# Altium PCB Bran_Main_Assay_PCB_v2.PcbDoc (part 14 of 15) (continued)
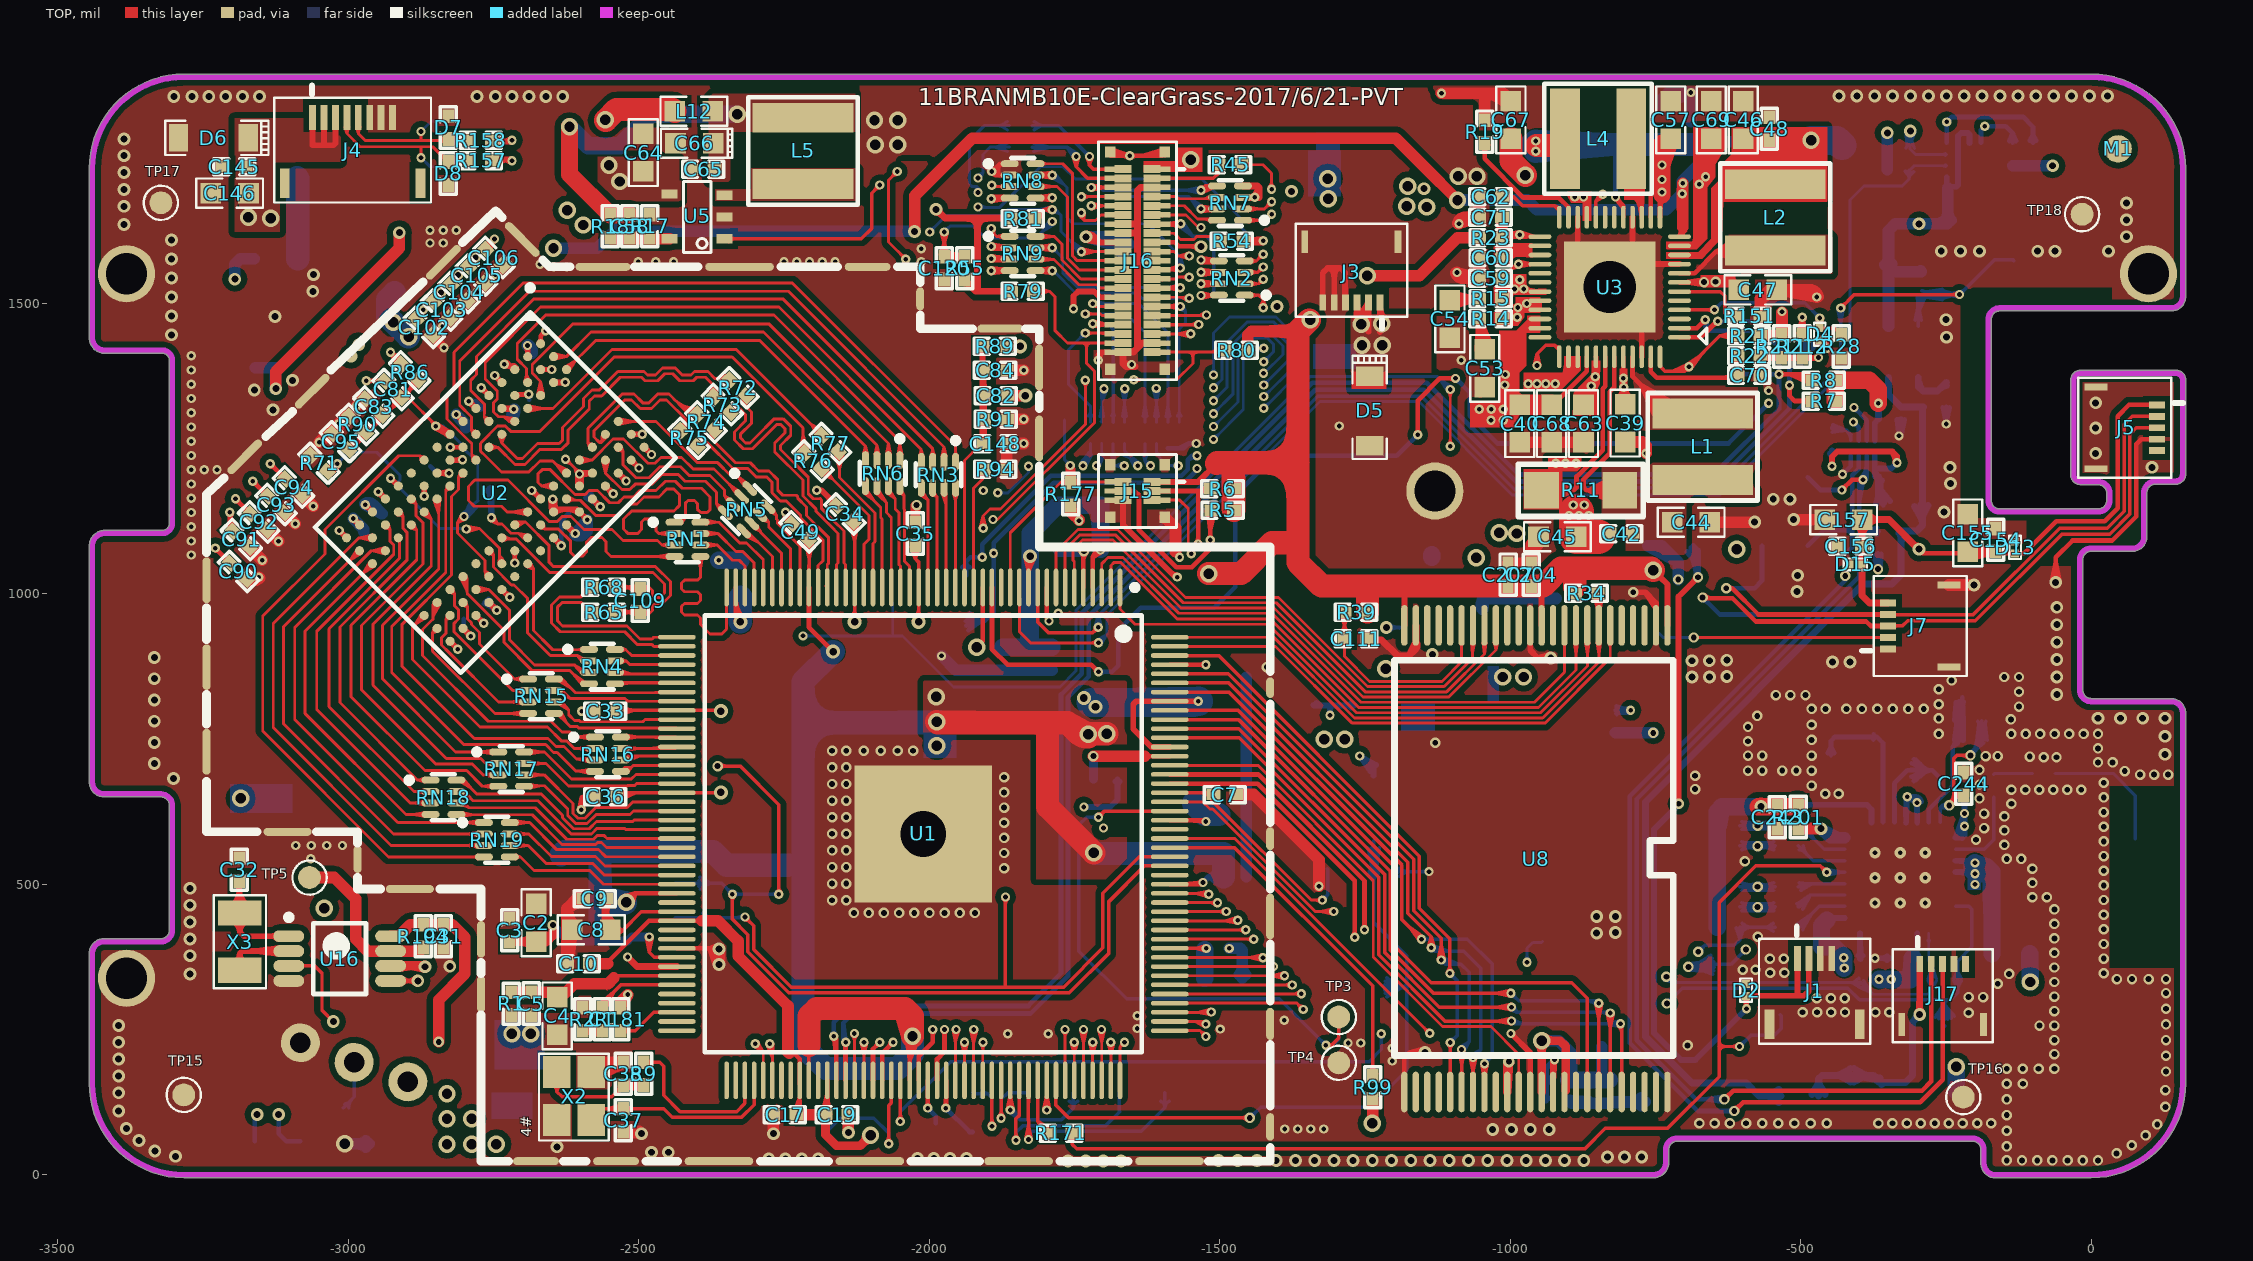
[diagram p0: TOP view]
## Nets (pads, with @x,y where several pads share a name; then routed paths per layer and width w, separated by ;. In a path a pad name is that pad's centre, name@x,y a point inside that pad or via, vN(x,y) a via of type N, cw(c..) or ccw(c..) an arc to the next point about the centre after c; other vN are vias at no path point) (continued)
WL-SDIO-D0: R172.1 R206.1 TP41.1 U1.118 | length 3199.8
  TOP w6: v1@-1897.05,85.35 -1891.91,92.68 ; v1@-1895.85,87.27 ccw(c-1904.39,95.8) -1892.32,95.8 ccw(c-1880.25,95.8) v1@-1888.78,87.27 ; -1892.32,112.23 U1.118@-1892.32,134.17 ; U1.118@-1892.32,162.71 v1(-1892.32,83.73) -1891.91,92.68 ; v1@-1887.46,84.91 -1891.91,92.68
  Singal w6: v1(-1892.32,83.73) -1885.32,76.73 -1655.65,76.73 -1597.05,135.33 -714.42,135.33 -641.46,208.28 -641.46,544 -619.46,566 v2(-574.46,566) -585.2,566.49 ; v2@-578.71,561.76 ccw(c-588.95,551.51) -588.95,566 ccw(c-588.95,580.49) v2@-578.71,570.24 ; v2@-576.4,560.32 -585.2,566.49 ; v2@-575.87,571.83 -585.2,566.49
  BOTTOM w6: TP41.1@-1925.2,141.73 -1923.46,140 -1899.46,140 ; TP41.1@-1910.7,133.47 cw(c-1899.47,127.07) -1899.47,140 ; TP41.1@-1909.4,147.11 ccw(c-1899.47,150.5) -1899.47,140 ; v1@-1897.18,84.91 -1892.73,92.68 ; v1@-1897.05,85.35 -1891.91,92.68 ; v1@-1895.85,87.27 ccw(c-1904.39,95.8) -1892.32,95.8 ccw(c-1880.25,95.8) v1@-1888.78,87.27 ; v1@-1887.59,85.35 -1892.73,92.68 ; v1@-1887.46,84.91 -1891.91,92.68 ; R206.1@-604.79,566.31 -574.46,566.31 R172.1@-543.7,566.31 R172.1@-546.18,563.83 ; R206.1@-601.98,559.52 v2@-574.98,566.31 ; R206.1@-601.98,573.1 v2@-574.98,566.31 ; R206.1@-601.21,559.66 -590.57,565.75 ; R206.1@-601.21,572.96 -590.57,566.88 ; R206.1@-600.61,559.84 -590.57,566.88 ; R206.1@-600.61,572.79 -590.57,565.75 ; R206.1@-597.98,561.48 cw(c-586.3,549.79) -586.3,566.31 cw(c-586.3,582.83) R206.1@-597.98,571.15 ; -589.71,566.31 cw(c-589.71,550.76) v2@-578.71,561.76 ; -588.19,566.31 ccw(c-588.19,579.73) v2@-578.71,570.24 ; v2@-576.64,560.41 -584.72,566.77 ; v2@-576.6,560.39 R206.1@-600.89,572.83 ; v2@-576.18,571.75 -585.68,565.78 ; v2@-575.96,560.19 -585.68,565.78 ; v2@-575.78,571.85 -584.72,566.77 ; v2@-575.29,571.94 R172.1@-548.02,572.72 ; v2@-573.61,571.94 R206.1@-600.89,572.83 ; v2@-573.15,571.85 -564.21,566.77 ; v2@-572.97,560.19 -563.25,565.78 ; v2@-572.75,571.75 -563.25,565.78 ; v2@-572.36,560.38 R172.1@-548.02,572.72 ; v2@-572.29,560.41 -564.21,566.77 ; v2@-570.22,561.76 cw(c-559.22,550.76) -559.22,566.31 ; v2@-570.22,570.24 ccw(c-560.74,579.73) -560.74,566.31 ; -562.2,566.31 cw(c-562.2,549.77) R172.1@-550.51,561.47 ; -562.17,566.31 ccw(c-562.17,582.81) R172.1@-550.51,571.15 ; R172.1@-547.88,559.83 -557.9,566.88 ; R172.1@-547.87,572.78 -557.92,565.75 ; R172.1@-547.28,559.66 -557.92,565.75 ; R172.1@-547.27,572.96 -557.9,566.88 ; R172.1@-546.51,559.52 v2@-573.51,566.31 ; R172.1@-546.51,573.1 v2@-573.51,566.31 ; -1899.46,140 -1892.32,132.85 v1(-1892.32,83.73) ; -1892.73,92.68 v1(-1892.32,83.73) ; v1(-1892.32,83.73) -1891.91,92.68 ; R206.1@-602.82,566.31 v2@-574.98,566.31 ; R206.1@-602.82,566.31 -590.57,566.88 ; R206.1@-602.82,566.31 -590.57,565.75 ; R206.1@-601.47,566.31 v2(-574.46,566) ; R206.1@-601.47,566.31 -575.06,571.97 R206.1@-601.47,566.31 ; R206.1@-601.47,566.31 -575.2,560.05 R206.1@-601.47,566.31 ; R206.1@-601.47,566.31 v2(-574.46,566) ; R206.1@-600.89,572.83 v2(-574.46,566) ; -585.68,565.78 v2(-574.46,566) ; -584.72,566.77 v2(-574.46,566) ; v2(-574.46,566) R172.1@-547.46,566.31 ; v2(-574.46,566) R172.1@-547.46,566.31 ; v2(-574.46,566) R172.1@-548.02,572.72 ; v2(-574.46,566) -564.21,566.77 ; v2(-574.46,566) -563.25,565.78 ; v2@-573.51,566.31 R172.1@-545.67,566.31 ; -557.92,565.75 R172.1@-545.67,566.31 ; -557.9,566.88 R172.1@-545.67,566.31 ; R172.1@-547.46,566.31 -573.73,560.05 R172.1@-547.46,566.31 ; R172.1@-547.46,566.31 -573.87,571.97 R172.1@-547.46,566.31
WL-SDIO-D1: R173.1 R205.1 TP40.1 U1.119 | length 3417.6
  TOP w6: v1@-1881.43,98.91 -1876.98,106.68 ; v1@-1881.3,99.35 -1876.16,106.68 ; v1@-1880.1,101.27 ccw(c-1888.64,109.8) -1876.57,109.8 ccw(c-1864.5,109.8) v1@-1873.03,101.27 ; v1@-1876.57,93.85 v1(-1876.57,97.73) ; -1876.57,112.23 U1.119@-1876.57,134.17 ; U1.119@-1876.57,162.71 v1(-1876.57,97.73) ; v1@-1871.84,99.35 -1876.98,106.68 ; v1@-1871.71,98.91 -1876.16,106.68 ; -1876.98,106.68 v1(-1876.57,97.73) ; v1(-1876.57,97.73) -1876.16,106.68
  Singal w6: v1@-1879.49,93.67 -1865.57,86.73 ; v1@-1876.57,92.73 cw(c-1876.57,80.66) -1868.03,89.2 cw(c-1859.5,97.73) v1@-1871.57,97.73 ; v1(-1876.57,97.73) -1865.57,86.73 ; v1@-1872.51,100.65 -1865.57,86.73 ; v2@-578.71,596.76 ccw(c-588.95,586.51) -588.95,601 ccw(c-588.95,615.49) v2@-578.71,605.24 ; v2@-576.4,606.68 -585.2,600.51 ; v2@-575.87,595.17 -585.2,600.51 ; v2@-573.46,601 v2(-574.46,601) ; -1865.57,86.73 -1659.79,86.73 -1601.2,145.33 -718.56,145.33 -651.46,212.43 -651.46,572 -622.46,601 v2(-574.46,601) ; -585.2,600.51 v2(-574.46,601)
  BOTTOM w6: v1@-1881.43,98.91 -1876.98,106.68 ; v1@-1881.3,99.35 -1876.16,106.68 ; v1@-1880.1,101.27 ccw(c-1888.64,109.8) -1876.57,109.8 ccw(c-1864.5,109.8) v1@-1873.03,101.27 ; v1@-1879.02,100.18 v1(-1876.57,97.73) ; v1@-1871.84,99.35 -1876.98,106.68 ; v1@-1871.71,98.91 -1876.16,106.68 ; TP40.1@-1830.71,141.73 -1864.73,141.73 -1876.57,129.9 v1(-1876.57,97.73) ; R205.1@-604.79,601.31 -574.46,601.31 -539,601.31 R173.1@-538.77,601.54 ; R205.1@-601.98,594.52 v2@-574.98,601.31 ; R205.1@-601.98,608.1 v2@-574.98,601.31 ; R205.1@-601.21,594.66 -590.57,600.75 ; R205.1@-601.21,607.96 -590.57,601.88 ; R205.1@-600.61,594.84 -590.57,601.88 ; R205.1@-600.61,607.79 -590.57,600.75 ; R205.1@-597.98,596.48 cw(c-586.3,584.79) -586.3,601.31 cw(c-586.3,617.83) R205.1@-597.98,606.15 ; -589.71,601.31 cw(c-589.71,585.76) v2@-578.71,596.76 ; -588.19,601.31 ccw(c-588.19,614.73) v2@-578.71,605.24 ; v2@-576.64,595.41 -584.72,601.77 ; v2@-576.6,595.39 R205.1@-600.89,607.83 ; v2@-576.47,606.65 R205.1@-601,594.77 ; v2@-576.18,606.75 -585.68,600.78 ; v2@-575.96,595.19 -585.68,600.78 ; v2@-575.78,606.85 -584.72,601.77 ; v2@-574.86,595.01 R173.1@-547.48,596.19 ; v2@-573.91,606.97 R173.1@-547.46,601.49 ; v2@-573.87,606.97 R173.1@-547.46,601.31 ; v2@-573.69,595.05 R173.1@-547.46,601.49 ; v2@-573.61,606.94 R205.1@-600.89,607.83 ; v2@-573.15,606.85 -564.21,601.77 ; v2@-572.97,595.19 -563.25,600.78 ; v2@-572.57,595.31 R173.1@-547.73,606.74 ; v2@-572.29,595.41 -564.21,601.77 ; v2@-570.22,596.76 cw(c-559.22,585.76) -559.22,601.31 ; v2@-570.22,605.24 ccw(c-560.74,614.73) -560.74,601.31 ; -557.81,601.31 ccw(c-557.81,618.61) R173.1@-545.58,606.38 ; -556.71,601.31 cw(c-556.71,585.57) R173.1@-545.58,596.7 ; R173.1@-543.12,607.96 -552.63,600.78 ; R173.1@-542.78,595.01 -553.33,601.9 ; R173.1@-542.41,608.18 -553.33,601.9 ; R173.1@-542.28,594.87 -552.63,600.78 ; R173.1@-541.63,608.33 v2@-568.58,601.31 ; R173.1@-541.52,594.74 v2@-568.58,601.31 ; -1876.98,106.68 v1(-1876.57,97.73) ; v1(-1876.57,97.73) -1876.16,106.68 ; R205.1@-602.82,601.31 v2@-574.98,601.31 ; R205.1@-602.82,601.31 -590.57,601.88 ; R205.1@-602.82,601.31 -590.57,600.75 ; R205.1@-601.47,601.31 v2(-574.46,601) ; R205.1@-601.47,601.31 v2@-575.06,606.97 ; R205.1@-601.47,601.31 -575.2,595.05 R205.1@-601.47,601.31 ; R205.1@-601.47,601.31 v2(-574.46,601) ; R205.1@-601.47,601.31 v2@-575.06,606.97 ; R205.1@-601,594.77 v2(-574.46,601) ; R205.1@-601,594.77 -573.74,595.04 R173.1@-547.46,601.31 ; R205.1@-600.89,607.83 v2(-574.46,601) ; -585.68,600.78 v2(-574.46,601) ; -584.72,601.77 v2(-574.46,601) ; v2@-575.07,606.97 R173.1@-547.73,606.74 ; v2(-574.46,601) R173.1@-547.46,601.31 ; v2(-574.46,601) R173.1@-547.46,601.49 ; v2(-574.46,601) R173.1@-547.73,606.74 ; v2(-574.46,601) R173.1@-547.48,596.19 ; v2(-574.46,601) -564.21,601.77 ; v2(-574.46,601) -563.25,600.78 ; v2@-568.58,601.31 R173.1@-540.74,601.54 ; -563.25,600.78 -572.75,606.75 R173.1@-547.48,596.19 ; -553.33,601.9 R173.1@-540.74,601.54 ; -552.63,600.78 R173.1@-540.74,601.54
WL-SDIO-D2: R168.1 R208.1 TP39.1 U1.120 | length 2674.1
  TOP w6: v1@-1865.8,112.21 -1860.82,137.73 v1@-1855.84,112.21 ; v1@-1865.79,112.29 U1.120@-1860.82,134.17 ; v1@-1865.68,112.91 -1861.23,120.68 ; v1@-1865.55,113.35 -1860.41,120.68 ; v1@-1864.35,115.27 ccw(c-1872.89,123.8) -1860.82,123.8 ccw(c-1848.75,123.8) v1@-1857.28,115.27 ; v1@-1860.82,112.23 U1.120@-1860.82,134.17 ; U1.120@-1860.82,162.71 v1(-1860.82,111.73) ; v1@-1856.09,113.35 -1861.23,120.68 ; v1@-1855.96,112.91 -1860.41,120.68 ; v1@-1855.85,112.29 U1.120@-1860.82,134.17 ; -1861.23,120.68 v1(-1860.82,111.73) ; v1(-1860.82,111.73) U1.120@-1860.82,134.17 ; v1(-1860.82,111.73) -1860.41,120.68
  Singal w6: v1@-1860.82,106.73 cw(c-1860.82,94.66) -1852.28,103.2 cw(c-1843.75,111.73) v1@-1855.82,111.73 ; v1(-1860.82,111.73) -1845.82,96.73 -1663.93,96.73 -1605.34,155.33 -722.71,155.33 -661.46,216.57 -661.46,332.99 -676.46,347.99 v2(-676.46,384) ; v2@-682.43,383.33 -676.46,357 ; v2@-682.3,382.59 -676.96,373.26 ; v2@-682.14,382.06 -675.97,373.26 ; v2@-680.71,379.76 cw(c-690.95,369.51) -676.46,369.51 cw(c-661.98,369.51) v2@-672.22,379.76 ; v2@-670.79,382.06 -676.96,373.26 ; v2@-670.63,382.59 -675.97,373.26 ; v2@-670.5,383.33 -676.46,357 ; -676.96,373.26 v2(-676.46,384) ; -676.46,357 v2(-676.46,384) ; v2(-676.46,384) -675.97,373.26
  BOTTOM w6: v1@-1863.96,107.84 -1844.09,95 ; v1@-1860.82,106.73 cw(c-1860.82,94.66) -1852.28,103.2 cw(c-1843.75,111.73) v1@-1855.82,111.73 ; v1(-1860.82,111.73) -1844.09,95 ; v1@-1856.93,114.87 -1844.09,95 ; TP39.1@-1758.96,126.58 cw(c-1763.99,115.66) -1751.97,115.66 ; TP39.1@-1751.97,141.73 -1751.97,115.66 ; TP39.1@-1744.98,126.58 ccw(c-1739.94,115.66) -1751.97,115.66 ; v2(-676.46,384) -665.46,395 -614.46,395 -604.79,404.68 ; v2@-676.46,390 ccw(c-676.46,404.49) -666.22,394.24 ccw(c-655.98,384) v2@-670.46,384 ; R208.1@-611.54,425.23 -604.79,404.68 ; R208.1@-611.44,424.71 -605.35,414.07 ; R208.1@-611.26,424.1 -604.22,414.07 ; R208.1@-609.62,421.48 cw(c-621.31,409.79) -604.79,409.79 cw(c-588.27,409.79) R208.1@-599.95,421.48 ; R208.1@-601.21,419.66 -590.57,425.75 ; R208.1@-601.21,432.96 -590.57,426.88 ; R208.1@-600.61,419.84 -590.57,426.88 ; R208.1@-600.61,432.79 -590.57,425.75 ; R208.1@-598.31,424.1 -605.35,414.07 ; R208.1@-598.13,424.71 -604.22,414.07 ; R208.1@-598.03,425.23 -604.79,404.68 ; R208.1@-597.98,421.48 cw(c-586.3,409.79) -586.3,426.31 cw(c-586.3,442.83) R208.1@-597.98,431.15 ; -562.2,426.31 cw(c-562.2,409.77) R168.1@-550.51,421.47 ; -562.17,426.31 ccw(c-562.17,442.81) R168.1@-550.51,431.15 ; R168.1@-547.88,419.83 -557.9,426.88 ; R168.1@-547.87,432.78 -557.92,425.75 ; R168.1@-547.28,419.66 -557.92,425.75 ; R168.1@-547.27,432.96 -557.9,426.88 ; R168.1@-543.7,426.31 R208.1@-604.79,426.31 ; -1844.09,95 -1772.63,95 -1751.97,115.66 ; -605.35,414.07 R208.1@-604.79,426.31 ; -604.79,404.68 R208.1@-604.79,426.31 ; -604.79,404.68 R208.1@-604.79,426.31 ; R208.1@-604.79,426.31 -604.22,414.07 ; -590.57,425.75 -602.82,426.31 -590.57,426.88 ; -557.92,425.75 -545.67,426.31 -557.9,426.88
WL-SDIO-D3: R169.1 R207.1 TP38.1 U1.121 | length 3381.8
  TOP w5: U1.121@-1845.08,162.71 U1.121@-1844.95,162.58
  TOP w6: v1@-1855.75,61.45 -1850.6,68.78 ; v1@-1854.55,63.37 ccw(c-1863.09,71.91) -1851.02,71.91 ccw(c-1838.94,71.91) v1@-1847.48,63.37 ; v1@-1846.16,61.01 -1850.6,68.78 ; U1.121@-1845.08,134.17 -1844.95,112.23 ; U1.121@-1844.95,162.58 -1844.95,103 -1851.02,96.93 v1(-1851.02,59.83) -1850.6,68.78
  Singal w6: v1@-1851.02,54.83 cw(c-1851.02,42.76) -1842.48,51.3 cw(c-1833.94,59.83) v1@-1846.02,59.83 ; v1(-1851.02,59.83) -1837.18,46 -1658.1,46 -1588.77,115.33 -706.14,115.33 -621.46,200 -621.46,437 -597.46,461 v2(-574.46,461) -585.2,461.49 ; v2@-578.71,456.76 ccw(c-588.95,446.51) -588.95,461 ccw(c-588.95,475.49) v2@-578.71,465.24 ; v2@-576.4,455.32 -585.2,461.49 ; v2@-575.87,466.83 -585.2,461.49
  BOTTOM w6: v1@-1855.75,61.45 -1850.6,68.78 ; v1@-1854.55,63.37 ccw(c-1863.09,71.91) -1851.02,71.91 ccw(c-1838.94,71.91) v1@-1847.48,63.37 ; v1@-1846.16,61.01 -1850.6,68.78 ; TP38.1@-1673.23,141.73 -1673.23,109.76 -1672.46,109 -1696.46,85 -1838.46,85 -1851.02,72.45 v1(-1851.02,59.83) -1850.6,68.78 ; R207.1@-604.79,461.31 -574.46,461.31 R169.1@-543.7,461.31 R169.1@-546.18,458.83 ; R207.1@-601.98,454.52 v2@-574.98,461.31 ; R207.1@-601.98,468.1 v2@-574.98,461.31 ; R207.1@-601.21,454.66 -590.57,460.75 ; R207.1@-601.21,467.96 -590.57,461.88 ; R207.1@-600.61,454.84 -590.57,461.88 ; R207.1@-600.61,467.79 -590.57,460.75 ; R207.1@-597.98,456.48 cw(c-586.3,444.79) -586.3,461.31 cw(c-586.3,477.83) R207.1@-597.98,466.15 ; -589.71,461.31 cw(c-589.71,445.76) v2@-578.71,456.76 ; -588.19,461.31 ccw(c-588.19,474.73) v2@-578.71,465.24 ; v2@-576.64,455.41 -584.72,461.77 ; v2@-576.6,455.39 R207.1@-600.89,467.83 ; v2@-576.47,466.65 R207.1@-601,454.77 ; v2@-576.18,466.75 -585.68,460.78 ; v2@-575.96,455.19 -585.68,460.78 ; v2@-575.78,466.85 -584.72,461.77 ; v2@-575.29,466.94 R169.1@-548.02,467.72 ; v2@-575.16,455.04 R169.1@-547.91,454.87 ; v2@-573.61,466.94 R207.1@-600.89,467.83 ; v2@-573.15,466.85 -564.21,461.77 ; v2@-572.97,455.19 -563.25,460.78 ; v2@-572.75,466.75 -563.25,460.78 ; v2@-572.48,466.66 R169.1@-547.91,454.87 ; v2@-572.36,455.38 R169.1@-548.02,467.72 ; v2@-572.29,455.41 -564.21,461.77 ; v2@-570.22,456.76 cw(c-559.22,445.76) -559.22,461.31 ; v2@-570.22,465.24 ccw(c-560.74,474.73) -560.74,461.31 ; -562.2,461.31 cw(c-562.2,444.77) R169.1@-550.51,456.47 ; -562.17,461.31 ccw(c-562.17,477.81) R169.1@-550.51,466.15 ; R169.1@-547.88,454.83 -557.9,461.88 ; R169.1@-547.87,467.78 -557.92,460.75 ; R169.1@-547.28,454.66 -557.92,460.75 ; R169.1@-547.27,467.96 -557.9,461.88 ; R169.1@-546.51,454.52 v2@-573.51,461.31 ; R169.1@-546.51,468.1 v2@-573.51,461.31 ; R207.1@-602.82,461.31 -590.57,460.75 ; R207.1@-602.82,461.31 v2@-574.98,461.31 ; R207.1@-602.82,461.31 -590.57,461.88 ; R207.1@-601.47,461.31 v2(-574.46,461) ; R207.1@-601.47,461.31 -575.06,466.97 R207.1@-601.47,461.31 ; R207.1@-601.47,461.31 -575.2,455.05 R207.1@-601.47,461.31 ; R207.1@-601.47,461.31 v2(-574.46,461) ; R207.1@-601,454.77 v2(-574.46,461) ; R207.1@-601,454.77 v2@-573.74,455.04 ; R207.1@-600.89,467.83 v2(-574.46,461) ; -585.68,460.78 v2(-574.46,461) ; -584.72,461.77 v2(-574.46,461) ; v2(-574.46,461) R169.1@-547.46,461.31 ; v2(-574.46,461) R169.1@-547.91,454.87 ; v2(-574.46,461) -563.25,460.78 ; v2(-574.46,461) R169.1@-547.46,461.31 ; v2(-574.46,461) R169.1@-548.02,467.72 ; v2(-574.46,461) -564.21,461.77 ; v2@-573.73,455.05 R169.1@-547.46,461.31 ; v2@-573.73,455.05 R169.1@-547.46,461.31 ; v2@-573.51,461.31 R169.1@-545.67,461.31 ; -557.92,460.75 R169.1@-545.67,461.31 ; -557.9,461.88 R169.1@-545.67,461.31 ; R169.1@-547.46,461.31 -573.87,466.97 R169.1@-547.46,461.31
WL-WAKE-UP: R200.2 R203.1 TP37.1 U1.154 U7.10 | length 2473.4
  TOP w5: U1.154@-1586.22,579.05 -1474.25,579.05 v1(-1138.83,243.63) ; U1.154@-1557.67,579.05 -1538.74,579.05 ; v1@-1144.33,243.63 ccw(c-1157.61,243.63) -1148.22,253.02 ccw(c-1138.83,262.41) v1@-1138.83,249.13
  Singal w5: v1@-1138.54,243.33 -1089.02,243.33 -991.36,341 -981.3,341 ; v1@-1134.94,239.74 cw(c-1126.27,231.07) -1126.27,243.33 ; v1@-1134.94,247.52 ccw(c-1124.84,257.62) -1124.84,243.33 ; v1@-976.8,365.99 cw(c-990.08,365.99) -980.69,356.6 cw(c-971.3,347.21) v1@-971.3,360.49 ; v1(-971.3,365.99) -981.3,355.99 -981.3,341 ; v2(-731.46,341) -981.3,341
  BOTTOM w5: v1@-976.5,367.77 -970.85,375.83 ; v1@-975.19,369.88 ccw(c-984.58,379.27) -971.3,379.27 ccw(c-958.02,379.27) v1@-967.41,369.88 ; v1@-965.95,367.28 -970.85,375.83 ; TP37.1@-944.88,401.57 -946.46,399.99 -961.3,399.99 -971.3,389.99 v1(-971.3,365.99) -970.85,375.83 ; v2@-734.88,335.47 -721.46,331 ; v2(-731.46,341) -721.46,331 ; v2@-730.97,334.52 cw(c-730.04,322.42) -721.47,331 ; v2@-725.94,344.42 -721.46,331 ; v2@-724.98,340.5 ccw(c-712.89,339.58) -721.47,331 ; -416.77,331 cw(c-416.77,311.04) R203.1@-402.66,325.15 ; -413.61,331 ccw(c-413.61,346.5) R203.1@-402.66,335.54 ; R203.1@-401.62,324.29 -377.02,311.87 ; R203.1@-401,323.91 -386.23,319.99 ; R203.1@-400.13,339.16 -409.6,331.53 ; R203.1@-399.38,337.43 -411.6,330.32 ; R203.1@-399.36,323.25 -411.6,330.32 ; R203.1@-399.22,325.19 -409.6,331.53 ; R203.1@-397.46,323 cw(c-397.46,300.53) -381.57,316.42 ; R203.1@-391.86,335.09 -377.02,311.87 ; R203.1@-391.34,334.39 -386.23,319.99 ; R203.1@-390.12,330.35 ccw(c-377.15,330.35) -386.32,321.17 ; U7.10@-281.52,403.3 cw(c-285.65,399.16) -279.8,399.16 cw(c-273.96,399.16) U7.10@-278.09,403.3 ; R200.2@-281.04,337.08 -273.78,360.84 R200.2@-266.52,337.08 ; R200.2@-280.95,334.41 -273.78,319 ; R200.2@-280.9,334.21 -274.46,323.61 ; R200.2@-280.92,337.72 -274.38,349.14 ; R200.2@-280.73,338.37 -273.18,349.14 ; R200.2@-280.66,333.45 -273.1,323.61 ; -279.8,385.09 U7.10@-279.8,405.01 ; U7.10@-279.8,415.83 -279.8,369.34 -273.78,363.31 R200.2@-273.78,336 ; R200.2@-278.97,341.19 ccw(c-291.51,353.73) -273.78,353.73 ccw(c-256.05,353.73) R200.2@-268.59,341.19 ; R200.2@-278.81,330.65 cw(c-289.79,319) -273.78,319 ; R200.2@-268.75,330.65 ccw(c-257.77,319) -273.78,319 ; R200.2@-266.89,333.45 -274.46,323.61 ; R200.2@-266.83,338.37 -274.38,349.14 ; R200.2@-266.66,334.21 -273.1,323.61 ; R200.2@-266.64,337.72 -273.18,349.14 ; R200.2@-266.61,334.41 -273.78,319 ; -721.46,331 -398.78,331 R203.1@-397.46,332.32 ; -411.6,330.32 R203.1@-397.46,330.35 ; -409.6,331.53 R203.1@-397.46,332.32 ; R203.1@-397.46,330.35 -386.23,319.99 ; R203.1@-397.46,330.35 -377.02,311.87 ; R203.1@-397.46,332.32 -376.15,311 -281.78,311 -273.78,319 ; -274.46,323.61 R200.2@-273.78,336 ; -274.38,349.14 R200.2@-273.78,336 ; -273.78,319 R200.2@-273.78,336 ; -273.78,319 R200.2@-273.78,336 ; R200.2@-273.78,336 -273.18,349.14 ; R200.2@-273.78,336 -273.1,323.61
X24MI: C37.2 U1.92 X2.1 | length 649.1
  TOP w6: X2.1@-2582.02,94.31 -2582.02,106.83 -2574.85,113.99 C37.2@-2527.02,113.99 ; C37.2@-2531.85,109.15 ccw(c-2543.54,97.47) -2543.54,113.99 ccw(c-2543.54,130.51) C37.2@-2531.85,118.83 ; C37.2@-2529.23,107.52 -2539.26,114.56 ; C37.2@-2529.23,120.47 -2539.26,113.43 ; C37.2@-2528.62,107.34 -2539.26,113.43 ; C37.2@-2528.62,120.64 -2539.26,114.56 ; C37.2@-2527.86,107.2 -2554.86,113.99 ; C37.2@-2527.86,120.78 -2554.86,113.99 ; C37.2@-2525.41,107.34 -2514.77,113.43 ; C37.2@-2525.41,120.64 -2514.77,114.56 ; C37.2@-2524.81,107.52 -2514.77,114.56 ; C37.2@-2524.81,120.47 -2514.77,113.43 ; C37.2@-2522.18,109.15 cw(c-2510.5,97.47) -2510.5,113.99 cw(c-2510.5,130.51) C37.2@-2522.18,118.83 ; U1.92@-2301.77,134.17 -2301.77,120.55 ; U1.92@-2301.77,162.71 -2301.77,120.55 ; -2554.86,113.99 C37.2@-2527.02,113.99 ; -2539.26,113.43 C37.2@-2527.02,113.99 ; -2539.26,114.56 C37.2@-2527.02,113.99 ; C37.2@-2527.02,113.99 -2514.77,114.56 ; C37.2@-2527.02,113.99 -2514.77,113.43 ; C37.2@-2527.02,113.99 -2457.46,113.99 -2442.46,99 -2323.32,99 -2301.77,120.55
X24MO: R9.1 U1.91 | length 394.7
  TOP w6: R9.1@-2489.86,187.34 -2479.22,193.43 ; R9.1@-2489.86,200.64 -2479.22,194.56 ; R9.1@-2489.25,187.52 -2479.22,194.56 ; R9.1@-2489.25,200.47 -2479.22,193.43 ; R9.1@-2486.63,189.15 cw(c-2474.95,177.47) -2474.95,193.99 cw(c-2474.95,210.51) R9.1@-2486.63,198.83 ; U1.91@-2317.52,134.17 -2317.52,122.95 ; U1.91@-2317.52,162.71 -2317.52,122.95 ; R9.1@-2491.46,193.99 -2479.22,194.56 ; R9.1@-2491.46,193.99 -2479.22,193.43 ; R9.1@-2491.46,193.99 -2464.18,193.99 -2457.02,186.83 -2457.02,136.83 -2429.19,109 -2331.46,109 -2317.52,122.95
XTAL_IN: C220.1 U7.28 X1.1 | length 500.2
  BOTTOM w8: U7.28@-338.86,606.78 -338.86,673.98 -316.54,696.31 -314.94,696.31 -273.94,696.31 ; U7.28@-338.86,617.61 -338.86,646.53 ; X1.1@-309.73,685.39 -284.64,694.01 ; X1.1@-309.33,708.44 -285.14,699.03 ; X1.1@-307.5,685.86 -285.14,699.03 ; X1.1@-307.23,707.93 -284.64,694.01 ; X1.1@-305.81,678.02 -284.64,694.01 ; X1.1@-305.08,715.64 -285.14,699.03 ; X1.1@-302.15,679.43 -285.14,699.03 ; X1.1@-301.78,714.25 -284.64,694.01 ; X1.1@-295.08,685.48 cw(c-273.94,670.26) -273.94,696.31 ; X1.1@-294.5,707.54 ccw(c-273.94,720.74) -273.94,696.31 ; C220.1@-260.94,683.31 -273.94,696.31 ; -285.14,699.03 -311.01,696.94 -284.64,694.01
XTAL_OUT: C221.1 U7.27 X1.3 | length 387.2
  BOTTOM w8: C221.1@-453.62,726.02 -448.43,735.1 ; C221.1@-453.47,726.53 -447.46,735.1 ; C221.1@-452.08,728.78 ccw(c-462.05,738.75) -447.94,738.75 ccw(c-433.84,738.75) C221.1@-443.81,728.78 ; C221.1@-447.94,722.68 -447.94,747.39 -441.51,753.83 -397.62,753.83 -369.02,753.83 ; C221.1@-442.42,726.53 -448.43,735.1 ; C221.1@-442.27,726.02 -447.46,735.1 ; X1.3@-375.18,749.47 cw(c-369.02,747.29) -369.02,753.83 ; X1.3@-374.21,758.42 ccw(c-369.02,759.06) -369.02,753.83 ; U7.27@-358.54,606.78 -358.54,743.35 -369.02,753.83 ; U7.27@-358.54,617.61 -358.54,646.53 ; -448.43,735.1 -447.94,724.65 -447.46,735.1
pads on no net: J4.9 J4.10 J5.5 J6.3 J6.4 J17.5 M1.4 M1.5 M2.4 M2.5 U1.14 U1.74 U1.77 U1.78 U1.84 U1.85 U1.87 U1.88 U1.89 U1.90 U1.95 U1.96 U1.99 U1.150 U1.155 U2.J1 U2.J9 U2.L1 U2.L9 U2.M7 U3.3 U3.5 U3.18 U3.19 U3.29 U3.30 U7.5 U7.6 U7.8 U7.9 U7.12 U7.13 U7.14 U7.15 U7.25 U8.3 U8.4 U8.5 U8.11 U8.14 U8.15 U8.20 U8.21 U8.22 U8.26 U8.27 U8.28 U8.33 U8.40 U8.45 U8.46 U8.47 U9.2

## Polygon pours and split planes (outlines as drawn)
CORE-VDD on TOP "Bottom Layer-No Net" (solid, remove dead copper, pour order 550): -2002.45,850.74 -1660.45,850.74 -1659.45,849.74 -1660.45,848.74 -1660.45,592.74 -1660.45,510.74 -1661.45,509.74 -1662.45,508.74 -1816.45,508.74 -1816.45,756.74 -1817.45,757.74 -1821.45,761.74 -2010.45,761.74 -2010.45,848.74 -2008.45,850.74
IPSOUT on TOP "TOP-No Net 1" (solid, remove dead copper, pour order 560): -2570.45,1752.74 -2570.45,1675.74 -2431.45,1675.74 -2426.45,1670.74 -2427.45,1671.74 -2427.45,1752.74
N502826 on TOP "TOP-No Net 1" (solid, remove dead copper, pour order 552): -2127.45,1795.74 -2342.45,1795.74 -2342.45,1711.74 -2345.45,1708.74 -2346.45,1709.74 -2379.45,1709.74 -2379.45,1853.74 -2376.45,1856.74 -2372.45,1860.74 -2127.45,1860.74
N502982 on TOP "TOP-No Net 1" (solid, remove dead copper, pour order 551): -2124.45,1731.74 -2123.45,1730.74 -2123.45,1676.74 -2368.45,1676.74 -2368.45,1696.74 -2306.45,1696.74 -2306.45,1732.74 -2127.45,1732.74 -2126.45,1731.74
N497618 on TOP "TOP-No Net 1" (solid, remove dead copper, pour order 546): -789.65,1388.31 -788.78,1387.44 -758.15,1387.44 -744.02,1373.31 -739.02,1378.31 -574.02,1378.31 -574.02,1283.31 -578.92,1278.4 -781.42,1278.4 -781.42,1340.9 -779.02,1343.31 -784.02,1348.31 -789.02,1348.31
N496496 on TOP "Bottom Layer-No Net" (solid, remove dead copper, pour order 544): -689.02,1553.31 -689.02,1583.31 -688.9,1583.43 -673.9,1583.43 -644.02,1613.31 -639.02,1618.31 -629.02,1618.31 -455.91,1618.31 -453.4,1620.81 -445.89,1613.3 -445.89,1551.18 -631.89,1551.18 -634.02,1553.31 -659.02,1553.31 -687.64,1553.31 -689.02,1551.93
DCIN-5V on TOP "TOP-No Net 1" (solid, remove dead copper, pour order 556): -1274.45,1481.28 -1274.45,1382.15 -1273.45,1381 -1136.45,1381 -1136.45,1484.74 -1139.45,1481.28 -1274.45,1481.28
N496392 on TOP "Bottom Layer-No Net" (solid, remove dead copper, pour order 548): -841.45,1222.74 -842.45,1221.74 -842.45,1131.74 -801.45,1131.74 -801.45,1067.74 -700.45,1067.74 -699.45,1066.74 -697.45,1068.74 -697.45,1159.74 -577.45,1159.74 -576.45,1158.74 -576.45,1225.74 -841.45,1225.74 -842.45,1224.74
GND on TOP "GRD" (solid, pour order 561): -50.46,1391 -46.46,1387 172.54,1387 172.54,1190 166.54,1184 162.54,1180 -46.46,1180
IPSOUT on TOP "Bottom Layer-No Net" (solid, remove dead copper, pour order 531): -2119.46,1919 -2119.46,1708 -2119.46,1692 -2110.77,1683.31 -1014.33,1683.31 -1014.33,1941.87 -1032.46,1960
USBVBUS on TOP "Bottom Layer-No Net" (solid, remove dead copper, pour order 538): -3122.46,1623 -3195.46,1623 -3195.46,1819 -3144.46,1819 -3077.46,1819 -3077.46,1801 -3077.46,1795 -3013.46,1795 -3013.46,1730 -3019.46,1736 -3129.46,1736 -3118.46,1736 -3118.46,1666 -3118.46,1623
GND on TOP "Bottom Layer-No Net" (solid, remove dead copper, pour order 58): -3869.94,2043.99 -3782.94,2130.99 637.06,2130.99 637.06,-143.01 310.06,-470.01 230.06,-390.01 -3829.94,-390.01
N17550467 on BOTTOM "Bottom Layer-No Net" (solid, pour order 543): -1173.45,600.83 -910.45,600.83 -903.45,600.83 -903.45,535.83 -904.45,536.83 -995.45,536.83 -1173.45,536.83
N17550444 on BOTTOM "Bottom Layer-No Net" (solid, pour order 542): -1174.45,657.83 -846.45,657.83 -846.45,768.83 -846.45,777.83 -880.45,777.83 -931.45,777.83 -931.45,762.83 -931.45,710.83 -948.45,710.83 -1119.45,710.83 -1119.45,720.83 -1119.45,723.83 -1144.45,723.83 -1174.45,723.83
IPSOUT on BOTTOM "Bottom Layer-No Net" (solid, pour order 541): -1109.45,814.83 -1020.45,814.83 -1020.45,867.83 -1020.45,875.83 -966.45,875.83 -934.45,875.83 -934.45,844.83 -934.45,783.83 -933.45,782.83 -933.45,753.83 -933.45,723.83 -938.45,718.83 -1109.45,718.83
N499376 on BOTTOM "Bottom Layer-No Net" (solid, pour order 540): -3173.45,1499.83 -3150.45,1499.83 -3150.45,1447.83 -3114.45,1447.83 -3107.45,1447.83 -3107.45,1425.83 -3107.45,1409.83 -3145.45,1409.83 -3213.45,1409.83 -3213.45,1447.83 -3172.45,1447.83 -3172.45,1487.83 -3172.45,1499.83
BAT on BOTTOM "Bottom Layer-No Net" (solid, remove dead copper, pour order 539): -2936.02,201.31 -2791.02,201.31 -2741.02,151.31 -2727.02,137.31 -2727.02,101.31 -2727.02,24.31 -2728.02,23.31 -2892.02,23.31 -2935.02,23.31 -2936.02,24.31
CORE-VDD on BOTTOM "Bottom Layer-No Net" (solid, remove dead copper, pour order 554): -1733.45,566.74 -1733.45,499.74 -1734.45,498.74 -1734.45,493.74 -1479.45,493.74 -1487.45,501.74 -1487.45,584.74 -1733.45,584.74
CPU-VDD on BOTTOM "Bottom Layer-No Net" (solid, remove dead copper, pour order 553): -1724.45,839.74 -1703.45,839.74 -1703.45,859.74 -1702.45,860.74 -1654.45,908.74 -1635.45,927.74 -1477.45,927.74 -1477.45,593.74 -1478.45,592.74 -1484.45,598.74 -1600.45,598.74 -1600.45,781.74 -1604.45,785.74 -1723.45,785.74
N499368 on BOTTOM "TOP-No Net 1" (solid, remove dead copper, pour order 547): -2885.45,1811.74 -2886.45,1810.74 -2886.45,1564.74 -3046.45,1564.74 -3047.45,1563.74 -3046.45,1564.74 -3046.45,1610.74 -2999.45,1610.74 -2998.45,1611.74 -2998.45,1810.74
DCIN-5V on BOTTOM "TOP-No Net 1" (solid, remove dead copper, pour order 557): -970.45,1503.74 -972.45,1501.55 -1274.45,1501.55 -1274.45,1382.1 -1275.45,1381 -1274.45,1382.1 -996.45,1382.1 -996.45,1447.85 -995.45,1448.95 -994.45,1447.85 -970.45,1447.85
IPSOUT on BOTTOM "TOP-No Net 1" (solid, remove dead copper, pour order 558): -2967.45,1442.74 -2968.45,1441.74 -3063.45,1441.74 -3063.45,1499.74 -3099.45,1499.74 -3099.45,1395.74 -3096.45,1392.74 -2967.45,1392.74
GND on BOTTOM "GRD" (solid, remove dead copper, pour order 562): -53.46,1390 168.54,1390 170.54,1392 162.54,1384 162.54,1190 -59.46,1190 -60.46,1189
VLED- on BOTTOM "Bottom Layer-No Net" (solid, remove dead copper, pour order 525): -1116.46,958.98 -1115.46,958 -1034.46,958 -1034.46,1079.02 -1033.46,1080 -1035.46,1078.05 -1080.46,1078.05 -1085.46,1078.05 -1085.46,991.18 -1085.46,979.47 -1107.46,979.47 -1116.46,979.47
N17800564 on BOTTOM "Bottom Layer-No Net" (solid, remove dead copper, pour order 526): -1167.46,922 -1167.46,930 -1232.46,930 -1233.46,931 -1232.46,932 -1232.46,963 -1423.46,963 -1423.46,869 -1398.46,869 -1398.46,830 -1343.46,830 -1342.46,831 -1341.46,832 -1341.46,898 -1169.46,898 -1167.46,900